# Altium PCB 15-34级主板.PcbDoc (part 4 of 4)
Units mil, origin at the board's own origin, x right, y up, seen from the top; angles counter-clockwise.
Board outline 2090.18 x 2701.44 mil, 2 copper layers (Top Layer, Bottom Layer); 13 components, 36 nets, 276 pads, 223 vias.
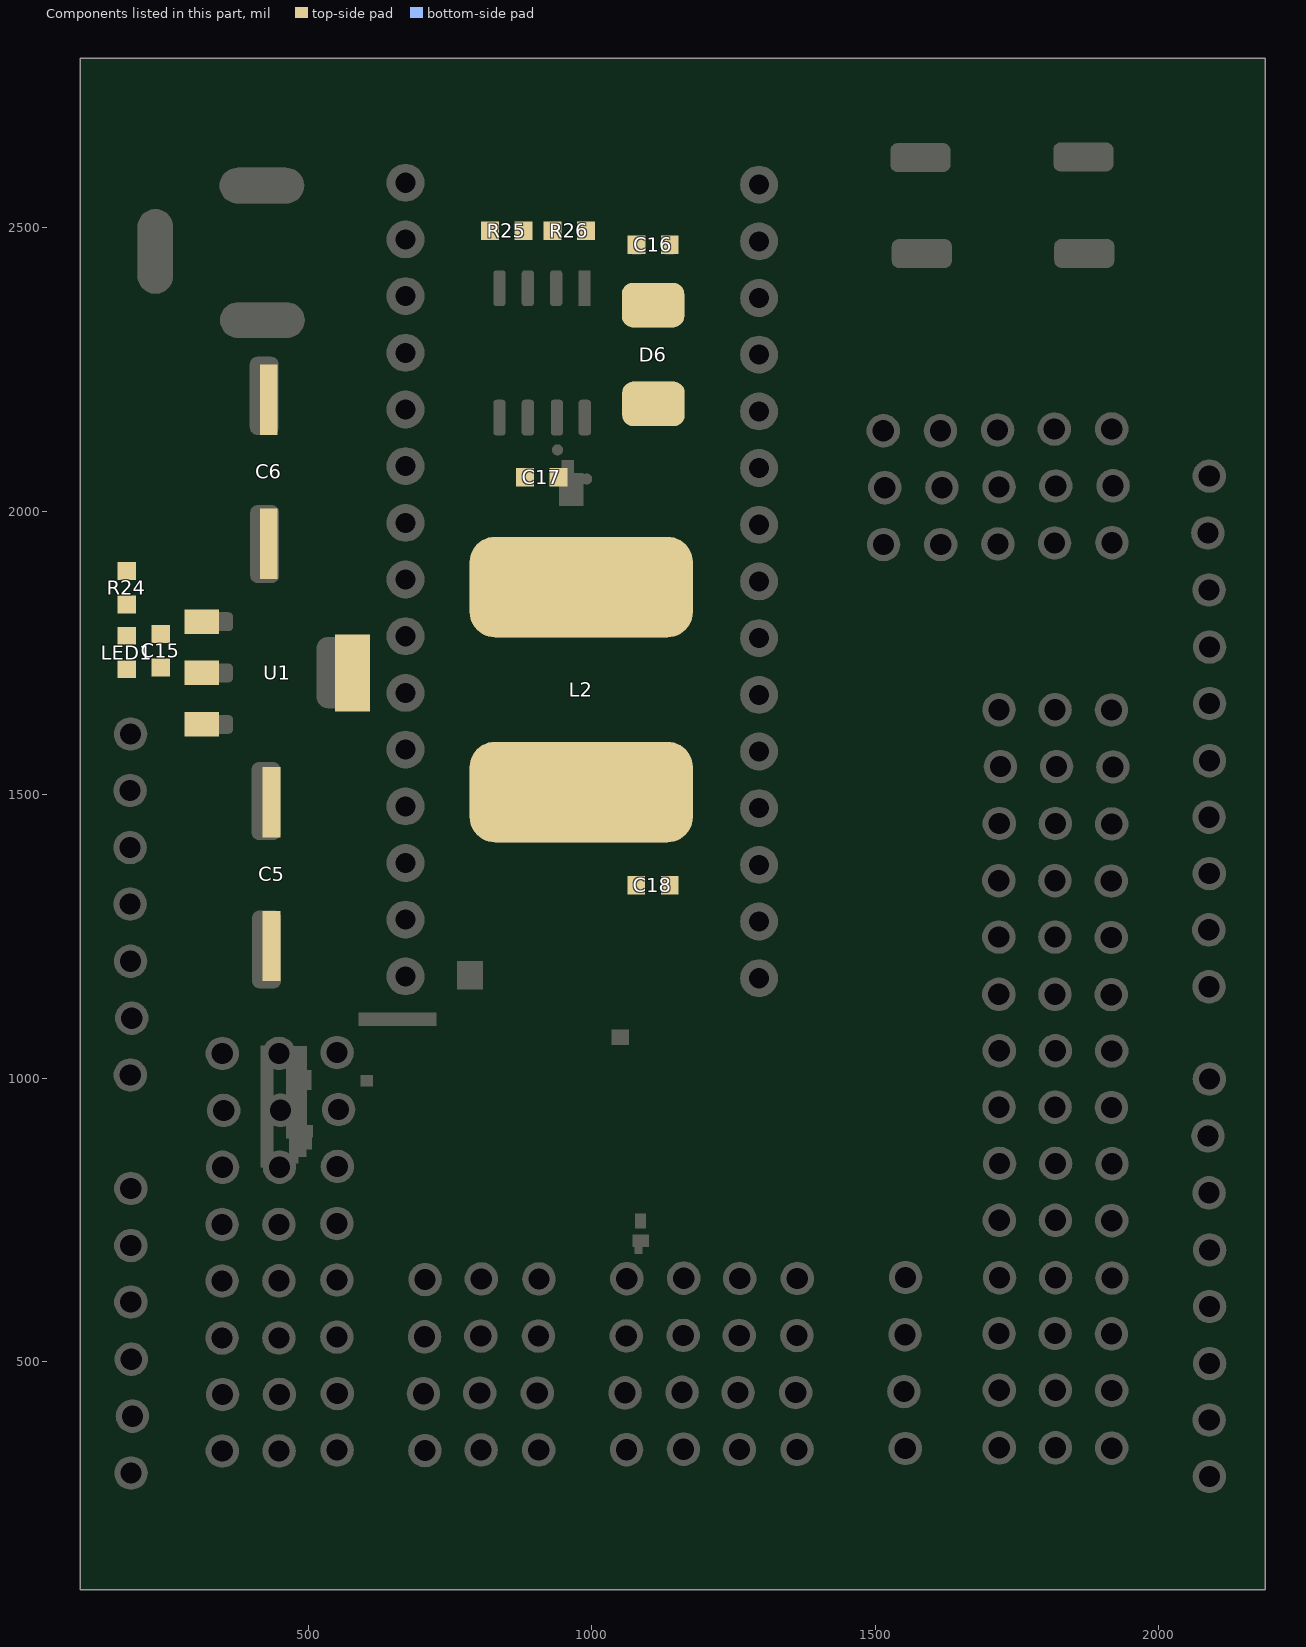
[diagram p4: the components of this part, seen from the top]

## Polygon pours and split planes (outlines as drawn) (continued)
no net on Bottom Overlay (solid): 745.3,2367.3 737.22,2367.3 722.58,2405.08 730.66,2405.08 733.78,2396.51 748.96,2396.51 752.23,2405.08 760.47,2405.08
no net on Bottom Overlay (solid): 130 vertices, not listed, extent 766.68,2267.92 791.2,2306.63
no net on Bottom Overlay (solid): 749.05,2268.13 740.97,2268.13 726.33,2305.92 734.41,2305.92 737.53,2297.34 752.71,2297.34 755.98,2305.92 764.23,2305.92
no net on Bottom Overlay (solid): 40 vertices, not listed, extent 763.59,2165.42 780.19,2203.42
no net on Bottom Overlay (solid): 744.05,2165.63 735.97,2165.63 721.33,2203.42 729.41,2203.42 732.53,2194.84 747.71,2194.84 750.98,2203.42 759.23,2203.42
no net on Bottom Overlay (solid): 180 vertices, not listed, extent 762,2059.58 787.39,2097.58
no net on Bottom Overlay (solid): 745.3,2059.8 737.22,2059.8 722.58,2097.58 730.66,2097.58 733.78,2089.01 748.96,2089.01 752.23,2097.58 760.47,2097.58
no net on Bottom Overlay (solid): 248 vertices, not listed, extent 762.24,1959.58 787.36,1998.29
no net on Bottom Overlay (solid): 744.88,1959.8 736.8,1959.8 722.17,1997.58 730.25,1997.58 733.36,1989.01 748.54,1989.01 751.82,1997.58 760.06,1997.58
no net on Bottom Overlay (solid): 784.58,1890.84 789.27,1890.84 789.27,1884.5 784.58,1884.5 784.58,1860.48 778.46,1860.48 762.09,1884.56 762.09,1890.84 777.59,1890.84 777.59,1898.43 784.58,1898.43
no net on Bottom Overlay (solid): 745.71,1860.64 737.62,1860.64 722.99,1898.43 731.07,1898.43 734.18,1889.85 749.36,1889.85 752.64,1898.43 760.88,1898.43
no net on Bottom Overlay (solid): 162 vertices, not listed, extent 761.38,1762.79 786.82,1800.79
no net on Bottom Overlay (solid): 743.63,1762.3 735.55,1762.3 720.92,1800.08 729,1800.08 732.11,1791.51 747.29,1791.51 750.56,1800.08 758.81,1800.08
no net on Bottom Overlay (solid): 200 vertices, not listed, extent 762.52,1661.66 787.8,1700.38
no net on Bottom Overlay (solid): 744.88,1661.88 736.8,1661.88 722.17,1699.67 730.25,1699.67 733.36,1691.09 748.54,1691.09 751.82,1699.67 760.06,1699.67
no net on Bottom Overlay (solid): 79 vertices, not listed, extent 763.77,1562.79 788.56,1600.08
no net on Bottom Overlay (solid): 746.13,1562.3 738.05,1562.3 723.42,1600.08 731.5,1600.08 734.61,1591.51 749.79,1591.51 753.06,1600.08 761.31,1600.08
no net on Bottom Overlay (solid): 783.58,1460.63 775.44,1460.63 766.21,1488.59 756.61,1460.63 748.36,1460.63 761.9,1498.42 770.14,1498.42
no net on Bottom Overlay (solid): 162 vertices, not listed, extent 721.33,1461.12 746.78,1499.13
no net on Bottom Overlay (solid): 299 vertices, not listed, extent 751.58,1361.58 782.32,1400.78
no net on Bottom Overlay (solid): 804.98,1368.68 816.12,1368.68 816.12,1362.29 786.14,1362.29 786.14,1368.68 797.34,1368.68 797.34,1400.07 804.98,1400.07
no net on Bottom Overlay (solid): 112 vertices, not listed, extent 715.49,1362.29 749.45,1400.07
no net on Bottom Overlay (solid): 84 vertices, not listed, extent 803.53,1261.46 835.14,1299.24
no net on Bottom Overlay (solid): 795.45,1261.46 788.4,1261.46 788.4,1286.9 772.79,1261.46 765.42,1261.46 765.42,1299.24 772.46,1299.24 772.46,1274.34 787.8,1299.24 795.45,1299.24
no net on Bottom Overlay (solid): 226 vertices, not listed, extent 722.99,1260.75 758.32,1299.95
no net on Bottom Overlay (solid): 759.46,1161.04 751.32,1161.04 742.09,1189 732.49,1161.04 724.24,1161.04 737.78,1198.82 746.03,1198.82
no net on Bottom Overlay (solid): 770.71,1161.04 763.06,1161.04 763.06,1198.82 770.71,1198.82
no net on Bottom Overlay (solid): 808.05,1161.04 801.01,1161.04 801.01,1186.48 785.39,1161.04 778.02,1161.04 778.02,1198.82 785.06,1198.82 785.06,1173.93 800.41,1198.82 808.05,1198.82
$Net45 on Top Layer "Top Layer-$Net45" (solid, pour order 2): 31 vertices, not listed, extent 969.67,1932.99 1184.66,2483.83
$Net37 on Top Layer "Top Layer-$Net37" (solid, pour order 0): 588.82,1109.24 600.49,1079.68 610.91,1030.91 605.07,1025.07 605.07,897.99 610.91,897.99 775.91,1062.99 722.98,1115.92 594.67,1115.92 587.17,1108.42
$Net0 on Top Layer "Top Layer-No Net 4" (solid, remove dead copper, pour order 1000): 0,2890 40,2850 40,125 40,65 145,-40 160,-55 1335,-55 2100,-55 2315,160 2355,200 2355,1170 2355,2765 2190,2930
no net on Top Overlay (solid): 74 vertices, not listed, extent 1704.82,1724.98 1731.52,1742.18
no net on Top Overlay (solid): 114 vertices, not listed, extent 1902.92,1719.95 1930.9,1742.28
no net on Top Overlay (solid): 51 vertices, not listed, extent 1918.78,1779.77 1930.26,1794.11
no net on Top Overlay (solid): 74 vertices, not listed, extent 1987.44,1684.3 2012.45,1700.41
no net on Top Overlay (solid): 74 vertices, not listed, extent 1988.54,1576.74 2013.55,1592.85
no net on Top Overlay (solid): 124 vertices, not listed, extent 1985.74,315.62 2014.25,325.48
no net on Top Overlay (solid): 74 vertices, not listed, extent 1986.9,347.22 2013.61,364.42
no net on Top Overlay (solid): 74 vertices, not listed, extent 1987.31,449.32 2014.01,466.51
no net on Top Overlay (solid): 74 vertices, not listed, extent 1984.81,553.07 2011.51,570.26
no net on Top Overlay (solid): 74 vertices, not listed, extent 1986.9,649.31 2013.61,666.5
no net on Top Overlay (solid): 1992.44,735.72 1992.44,726.33 2006.32,726.33
no net on Top Overlay (solid): 74 vertices, not listed, extent 1984.4,755.13 2011.1,772.33
no net on Top Overlay (solid): 74 vertices, not listed, extent 1988.15,851.81 2014.85,869
no net on Top Overlay (solid): 67 vertices, not listed, extent 1985.32,916.31 2000.19,927.04
no net on Top Overlay (solid): 74 vertices, not listed, extent 1986.49,949.31 2013.19,966.5
no net on Top Overlay (solid): 74 vertices, not listed, extent 1987.31,1045.57 2014.01,1062.76
no net on Top Overlay (solid): 66 vertices, not listed, extent 1986.4,1116.06 1999.46,1127.37
no net on Top Overlay (solid): 63 vertices, not listed, extent 2005.58,1116.99 2015.37,1126.67
no net on Top Overlay (solid): 74 vertices, not listed, extent 1987.74,1148.47 2014.44,1165.67
no net on Top Overlay (solid): 68 vertices, not listed, extent 1997.23,1211.38 2012.16,1222.05
no net on Top Overlay (solid): 74 vertices, not listed, extent 1984.81,1242.63 2011.51,1259.83
no net on Top Overlay (solid): 124 vertices, not listed, extent 1987.45,1301.52 2014.15,1310.75
no net on Top Overlay (solid): 74 vertices, not listed, extent 1988.54,1360.49 2013.55,1376.6
no net on Top Overlay (solid): 74 vertices, not listed, extent 1988.54,1464.24 2013.55,1480.35
no net on Top Overlay (solid): 1261.46,733.11 1261.46,721.97 1276.45,727.63
no net on Top Overlay (solid): 74 vertices, not listed, extent 1252.31,758.7 1279.01,775.9
no net on Top Overlay (solid): 74 vertices, not listed, extent 1151.9,718.31 1178.6,735.51
no net on Top Overlay (solid): 74 vertices, not listed, extent 895.65,713.31 922.36,730.51
no net on Top Overlay (solid): 48 vertices, not listed, extent 1556.25,782.72 1566.51,799.16
no net on Top Overlay (solid): 1548.96,837.75 1548.96,826.62 1563.95,832.27
no net on Top Overlay (solid): 74 vertices, not listed, extent 1461.02,608.89 1482.69,622.84
no net on Top Overlay (solid): 48 vertices, not listed, extent 1474.36,673.03 1482.69,686.37
no net on Top Overlay (solid): 74 vertices, not listed, extent 1459.37,505.81 1481.03,519.76
no net on Top Overlay (solid): 74 vertices, not listed, extent 1461.02,395.98 1482.69,409.93
no net on Top Overlay (solid): 74 vertices, not listed, extent 576.06,1116.87 590.01,1138.53
no net on Top Overlay (solid): 314.96,1134.78 310.52,1122.63 319.55,1122.63
no net on Top Overlay (solid): 74 vertices, not listed, extent 341.83,1115.2 355.78,1136.86
no net on Top Overlay (solid): 124 vertices, not listed, extent 252.45,1013.27 279.15,1022.5
no net on Top Overlay (solid): 262.12,1057.01 262.12,1046.58 276.15,1051.87
no net on Top Overlay (solid): 261.29,959.1 261.29,948.67 275.33,953.96
no net on Top Overlay (solid): 264.63,861.18 264.63,850.75 278.66,856.05
no net on Top Overlay (solid): 262.53,759.5 262.53,749.08 276.57,754.37
no net on Top Overlay (solid): 261.91,625.93 261.91,617.14 274.91,617.14
no net on Top Overlay (solid): 262.95,658.25 262.95,647.83 276.98,653.12
no net on Top Overlay (solid): 262.13,559.93 262.13,549.5 276.16,554.8
no net on Top Overlay (solid): 67 vertices, not listed, extent 253.29,411.96 267.21,422.01
no net on Top Overlay (solid): 262.95,457 262.95,446.58 276.98,451.87
no net on Top Overlay (solid): 262.13,355.35 262.13,344.92 276.16,350.21
no net on Top Overlay (solid): 521.62,257.28 516.14,242.3 527.28,242.3
no net on Top Overlay (solid): 74 vertices, not listed, extent 554.74,233.14 571.93,259.85
no net on Top Overlay (solid): 114 vertices, not listed, extent 755.64,232.1 777.97,260.08
no net on Top Overlay (solid): 51 vertices, not listed, extent 719.5,247.95 733.84,259.44
no net on Top Overlay (solid): 48 vertices, not listed, extent 891.77,249.18 908.21,259.44
no net on Top Overlay (solid): 114 vertices, not listed, extent 1875.78,240.86 1898.11,268.84
no net on Top Overlay (solid): 51 vertices, not listed, extent 1823.95,256.71 1838.29,268.2
no net on Top Overlay (solid): 51 vertices, not listed, extent 2008.36,2030.73 2019.85,2045.07
no net on Top Overlay (solid): 114 vertices, not listed, extent 1807.95,2218.03 1834.15,2238.94
no net on Top Overlay (solid): 114 vertices, not listed, extent 1707.96,2265.02 1734.16,2285.94
no net on Top Overlay (solid): 74 vertices, not listed, extent 1507.3,2218.7 1532.3,2234.81
no net on Top Overlay (solid): 48 vertices, not listed, extent 1479.36,2596.36 1487.69,2609.7
no net on Top Overlay (solid): 125 vertices, not listed, extent 1966.92,2626.15 2017.84,2669.33
no net on Top Overlay (solid): 96 vertices, not listed, extent 1969.21,2372.61 2004.19,2397.29
no net on Top Overlay (solid): 38 vertices, not listed, extent 1991.07,2439.56 2004.19,2465.16
no net on Top Overlay (solid): 95 vertices, not listed, extent 2063.78,2414.13 2098.76,2441.09
no net on Top Overlay (solid): 96 vertices, not listed, extent 2063.78,2583.03 2098.76,2607.71
no net on Top Overlay (solid): 27 vertices, not listed, extent 2084.37,2667.29 2114.89,2688.61
no net on Top Overlay (solid): 95 vertices, not listed, extent 1372.67,1888.23 1392.25,1903.33
no net on Top Overlay (solid): 96 vertices, not listed, extent 1372.67,1982.79 1392.25,1996.61
no net on Top Overlay (solid): 79 vertices, not listed, extent 1372.51,2026.9 1382.51,2040.11
no net on Top Overlay (solid): 95 vertices, not listed, extent 1372.67,2082.95 1392.25,2098.05
no net on Top Overlay (solid): 96 vertices, not listed, extent 1372.67,2139.1 1392.25,2152.93
no net on Top Overlay (solid): 79 vertices, not listed, extent 1372.51,2183.22 1382.51,2196.43
no net on Top Overlay (solid): 95 vertices, not listed, extent 1372.67,2209.13 1392.25,2224.22
no net on Top Overlay (solid): 97 vertices, not listed, extent 1372.67,2236.82 1392.25,2250.59
no net on Top Overlay (solid): 95 vertices, not listed, extent 1372.67,2305.16 1392.25,2320.26
no net on Top Overlay (solid): 79 vertices, not listed, extent 1372.51,2397.21 1382.51,2410.42
no net on Top Overlay (solid): 95 vertices, not listed, extent 1372.67,2423.28 1392.4,2437.1
no net on Top Overlay (solid): 125 vertices, not listed, extent 1372.19,1557.02 1400.7,1581.19
no net on Top Overlay (solid): 27 vertices, not listed, extent 1383.36,1634.84 1400.44,1646.78
no net on Top Overlay (solid): 125 vertices, not listed, extent 1372.19,1768.06 1400.7,1792.23
no net on Top Overlay (solid): 53 vertices, not listed, extent 1371.91,1729.01 1387.09,1743.81
no net on Top Overlay (solid): 63 vertices, not listed, extent 1392.5,1730.65 1403.03,1739.39
no net on Top Overlay (solid): 84 vertices, not listed, extent 1698,1716.59 1738.34,1750.34
no net on Top Overlay (solid): 1738.34,1783.16 1711.18,1766.49 1738.34,1766.49 1738.34,1758.97 1698,1758.97 1698,1767.13 1724.59,1783.51 1698,1783.51 1698,1791.03 1738.34,1791.03
no net on Top Overlay (solid): 226 vertices, not listed, extent 1697.24,1798.61 1739.1,1836.33
no net on Top Overlay (solid): 138 vertices, not listed, extent 1895.98,1711.56 1937.84,1750.68
no net on Top Overlay (solid): 1937.09,1756.8 1896.74,1756.8 1896.74,1764.96 1937.09,1764.96
no net on Top Overlay (solid): 76 vertices, not listed, extent 1896.74,1771.38 1937.09,1802.27
no net on Top Overlay (solid): 226 vertices, not listed, extent 1895.98,1809.85 1937.84,1847.57
no net on Top Overlay (solid): 1837.5,1745.33 1807.65,1735.07 1837.5,1725.22 1837.5,1716.53 1797.16,1730.87 1797.16,1739.67 1837.5,1754.13
no net on Top Overlay (solid): 162 vertices, not listed, extent 1796.4,1755.82 1836.98,1782.99
no net on Top Overlay (solid): 248 vertices, not listed, extent 1980.35,1617.37 2019.06,1642.48
no net on Top Overlay (solid): 40 vertices, not listed, extent 1981.06,1653.07 2019.06,1669.67
no net on Top Overlay (solid): 84 vertices, not listed, extent 1981.06,1676.44 2018.84,1708.06
no net on Top Overlay (solid): 180 vertices, not listed, extent 1982.16,1510.18 2020.16,1535.57
no net on Top Overlay (solid): 40 vertices, not listed, extent 1982.16,1545.51 2020.16,1562.11
no net on Top Overlay (solid): 84 vertices, not listed, extent 1982.16,1568.88 2019.94,1600.49
no net on Top Overlay (solid): 130 vertices, not listed, extent 1979.33,307.46 2020.66,333.64
no net on Top Overlay (solid): 84 vertices, not listed, extent 1980.08,338.83 2020.43,372.58
no net on Top Overlay (solid): 40 vertices, not listed, extent 1980.49,415.97 2021.07,433.69
no net on Top Overlay (solid): 84 vertices, not listed, extent 1980.49,440.92 2020.83,474.68
no net on Top Overlay (solid): 180 vertices, not listed, extent 1977.99,513.36 2018.57,540.47
no net on Top Overlay (solid): 84 vertices, not listed, extent 1977.99,544.67 2018.34,578.43
no net on Top Overlay (solid): 248 vertices, not listed, extent 1979.33,609.19 2020.66,636.01
no net on Top Overlay (solid): 84 vertices, not listed, extent 1980.08,640.91 2020.43,674.67
no net on Top Overlay (solid): 2018.09,725.4 2018.09,718.87 1992.44,718.87 1992.44,713.85 1985.68,713.85 1985.68,718.87 1977.57,718.87 1977.57,726.33 1985.68,726.33 1985.68,742.89 1992.38,742.89
no net on Top Overlay (solid): 84 vertices, not listed, extent 1977.57,746.73 2017.92,780.49
no net on Top Overlay (solid): 162 vertices, not listed, extent 1980.57,810.94 2021.15,838.11
no net on Top Overlay (solid): 84 vertices, not listed, extent 1981.33,843.41 2021.68,877.17
no net on Top Overlay (solid): 200 vertices, not listed, extent 1978.91,908.73 2020.24,935.72
no net on Top Overlay (solid): 84 vertices, not listed, extent 1979.67,940.91 2020.01,974.67
no net on Top Overlay (solid): 79 vertices, not listed, extent 1980.49,1005.51 2020.31,1031.98
no net on Top Overlay (solid): 84 vertices, not listed, extent 1980.49,1037.17 2020.83,1070.93
no net on Top Overlay (solid): 184 vertices, not listed, extent 1980.16,1108.42 2021.49,1135
no net on Top Overlay (solid): 84 vertices, not listed, extent 1980.92,1140.08 2021.26,1173.83
no net on Top Overlay (solid): 204 vertices, not listed, extent 1977.23,1202.7 2018.57,1229.63
no net on Top Overlay (solid): 84 vertices, not listed, extent 1977.99,1234.24 2018.34,1267.99
no net on Top Overlay (solid): 130 vertices, not listed, extent 1981.45,1293.88 2020.16,1318.39
no net on Top Overlay (solid): 40 vertices, not listed, extent 1982.16,1329.26 2020.16,1345.86
no net on Top Overlay (solid): 84 vertices, not listed, extent 1982.16,1352.63 2019.94,1384.24
no net on Top Overlay (solid): 40 vertices, not listed, extent 1982.16,1403.63 2020.16,1420.23
no net on Top Overlay (solid): 40 vertices, not listed, extent 1982.16,1433.01 2020.16,1449.61
no net on Top Overlay (solid): 84 vertices, not listed, extent 1982.16,1456.38 2019.94,1487.99
no net on Top Overlay (solid): 1384.72,723.79 1351.49,723.79 1351.49,703.5 1344.67,703.5 1344.67,731.95 1384.72,731.95
no net on Top Overlay (solid): 207 vertices, not listed, extent 1343.97,739.18 1385.77,774.28
no net on Top Overlay (solid): 299 vertices, not listed, extent 1343.91,779.76 1385.77,812.58
no net on Top Overlay (solid): 1285.84,731.89 1285.84,723.26 1245.49,707.05 1245.49,715.85 1254.64,719.35 1254.64,735.56 1245.49,738.88 1245.49,747.51
no net on Top Overlay (solid): 84 vertices, not listed, extent 1245.49,750.31 1285.84,784.06
no net on Top Overlay (solid): 299 vertices, not listed, extent 1244.73,791 1286.59,823.82
no net on Top Overlay (solid): 84 vertices, not listed, extent 1145.08,709.92 1185.43,743.67
no net on Top Overlay (solid): 1185.43,776.5 1158.26,759.82 1185.43,759.82 1185.43,752.3 1145.08,752.3 1145.08,760.46 1171.67,776.85 1145.08,776.85 1145.08,784.37 1185.43,784.37
no net on Top Overlay (solid): 226 vertices, not listed, extent 1144.33,791.95 1186.19,829.67
no net on Top Overlay (solid): 1085.83,734.51 1055.98,724.25 1085.83,714.4 1085.83,705.71 1045.49,720.06 1045.49,728.86 1085.83,743.32
no net on Top Overlay (solid): 162 vertices, not listed, extent 1044.73,745.01 1085.31,772.18
no net on Top Overlay (solid): 84 vertices, not listed, extent 888.83,704.92 929.18,738.67
no net on Top Overlay (solid): 929.18,771.5 902.01,754.82 929.18,754.82 929.18,747.3 888.83,747.3 888.83,755.46 915.42,771.85 888.83,771.85 888.83,779.37 929.18,779.37
no net on Top Overlay (solid): 226 vertices, not listed, extent 888.07,786.95 929.93,824.67
no net on Top Overlay (solid): 827.51,733.54 800.34,716.86 827.51,716.86 827.51,709.34 787.17,709.34 787.17,717.5 813.75,733.89 787.17,733.89 787.17,741.41 827.51,741.41
no net on Top Overlay (solid): 827.51,749.22 787.17,749.22 787.17,757.38 827.51,757.38
no net on Top Overlay (solid): 827.51,790.03 797.66,779.77 827.51,769.92 827.51,761.23 787.17,775.57 787.17,784.38 827.51,798.83
no net on Top Overlay (solid): 248 vertices, not listed, extent 684.73,711.39 726.07,738.21
no net on Top Overlay (solid): 725.84,769.11 695.99,758.84 725.84,748.99 725.84,740.31 685.49,754.65 685.49,763.45 725.84,777.91
no net on Top Overlay (solid): 248 vertices, not listed, extent 684.73,780.36 726.07,807.18
no net on Top Overlay (solid): 1573.34,737.48 1566.51,737.48 1566.51,749.37 1532.99,749.37 1532.99,757.53 1566.51,757.53 1566.51,769.48 1573.34,769.48
no net on Top Overlay (solid): 112 vertices, not listed, extent 1532.99,771.06 1573.34,807.32
no net on Top Overlay (solid): 1573.34,836.53 1573.34,827.9 1532.99,811.69 1532.99,820.5 1542.14,823.99 1542.14,840.2 1532.99,843.52 1532.99,852.15
no net on Top Overlay (solid): 150 vertices, not listed, extent 1532.23,856.64 1573.34,888.82
no net on Top Overlay (solid): 84 vertices, not listed, extent 1455.49,602.08 1488.22,629.47
no net on Top Overlay (solid): 1472.52,652.03 1488.22,662.29 1488.22,654.58 1478.43,648.1 1488.22,641.62 1488.22,633.91 1472.52,644.18 1455.49,632.92 1455.49,640.87 1466.56,648.1 1455.49,655.39 1455.49,663.33
no net on Top Overlay (solid): 112 vertices, not listed, extent 1455.49,663.57 1488.22,692.99
no net on Top Overlay (solid): 84 vertices, not listed, extent 1453.83,499 1486.56,526.39
no net on Top Overlay (solid): 1470.86,548.95 1486.56,559.21 1486.56,551.5 1476.77,545.02 1486.56,538.54 1486.56,530.83 1470.86,541.1 1453.83,529.84 1453.83,537.78 1464.9,545.02 1453.83,552.31 1453.83,560.25
no net on Top Overlay (solid): 1486.56,561.2 1481.03,561.2 1481.03,570.85 1453.83,570.85 1453.83,577.47 1481.03,577.47 1481.03,587.17 1486.56,587.17
no net on Top Overlay (solid): 84 vertices, not listed, extent 1455.49,389.17 1488.22,416.56
no net on Top Overlay (solid): 1488.22,443.19 1466.18,429.66 1488.22,429.66 1488.22,423.56 1455.49,423.56 1455.49,430.18 1477.06,443.47 1455.49,443.47 1455.49,449.57 1488.22,449.57
no net on Top Overlay (solid): 226 vertices, not listed, extent 1454.88,455.72 1488.84,486.32
no net on Top Overlay (solid): 1489.07,340.78 1464.85,332.45 1489.07,324.46 1489.07,317.41 1456.33,329.05 1456.33,336.19 1489.07,347.92
no net on Top Overlay (solid): 162 vertices, not listed, extent 1455.72,349.29 1488.64,371.33
no net on Top Overlay (solid): 162 vertices, not listed, extent 424.67,1111.55 446.71,1144.47
no net on Top Overlay (solid): 466.95,1112.17 459.81,1112.17 448.08,1144.9 455.22,1144.9 463.55,1120.68 471.54,1144.9 478.59,1144.9
no net on Top Overlay (solid): 84 vertices, not listed, extent 569.43,1111.33 596.82,1144.07
no net on Top Overlay (solid): 562.43,1111.33 555.81,1111.33 542.52,1132.9 542.52,1111.33 536.42,1111.33 536.42,1144.07 542.81,1144.07 556.33,1122.02 556.33,1144.07 562.43,1144.07
no net on Top Overlay (solid): 226 vertices, not listed, extent 499.67,1110.72 530.27,1144.68
no net on Top Overlay (solid): 331.66,1109.67 324.52,1109.67 321.68,1117.09 308.53,1117.09 305.83,1109.67 298.83,1109.67 311.51,1142.4 318.51,1142.4
no net on Top Overlay (solid): 84 vertices, not listed, extent 335.21,1109.67 362.59,1142.4
no net on Top Overlay (solid): 207 vertices, not listed, extent 367.04,1109.1 395.51,1143.01
no net on Top Overlay (solid): 130 vertices, not listed, extent 246.45,1005.63 285.16,1030.14
no net on Top Overlay (solid): 284.94,1055.86 284.94,1047.78 247.16,1032.6 247.16,1040.84 255.73,1044.12 255.73,1059.3 247.16,1062.41 247.16,1070.49
no net on Top Overlay (solid): 40 vertices, not listed, extent 246.33,913.72 284.33,930.32
no net on Top Overlay (solid): 284.12,957.95 284.12,949.87 246.33,934.69 246.33,942.93 254.9,946.21 254.9,961.39 246.33,964.5 246.33,972.58
no net on Top Overlay (solid): 180 vertices, not listed, extent 249.67,809.86 287.67,835.25
no net on Top Overlay (solid): 287.45,860.03 287.45,851.95 249.67,836.78 249.67,845.02 258.24,848.29 258.24,863.47 249.67,866.59 249.67,874.67
no net on Top Overlay (solid): 248 vertices, not listed, extent 246.86,707.8 285.58,732.91
no net on Top Overlay (solid): 285.36,758.36 285.36,750.28 247.57,735.1 247.57,743.34 256.15,746.62 256.15,761.8 247.57,764.91 247.57,772.99
no net on Top Overlay (solid): 285.94,616.27 285.94,610.15 261.91,610.15 261.91,605.46 255.58,605.46 255.58,610.15 247.99,610.15 247.99,617.14 255.58,617.14 255.58,632.65 261.86,632.65
no net on Top Overlay (solid): 285.77,657.11 285.77,649.03 247.99,633.85 247.99,642.09 256.56,645.37 256.56,660.55 247.99,663.66 247.99,671.74
no net on Top Overlay (solid): 162 vertices, not listed, extent 246.46,507.52 284.46,532.96
no net on Top Overlay (solid): 284.95,558.78 284.95,550.7 247.17,535.53 247.17,543.77 255.74,547.04 255.74,562.22 247.17,565.34 247.17,573.42
no net on Top Overlay (solid): 200 vertices, not listed, extent 247.28,404.86 285.99,430.14
no net on Top Overlay (solid): 285.77,455.86 285.77,447.78 247.99,432.6 247.99,440.84 256.56,444.12 256.56,459.3 247.99,462.41 247.99,470.49
no net on Top Overlay (solid): 79 vertices, not listed, extent 247.17,303.69 284.46,328.48
no net on Top Overlay (solid): 284.95,354.2 284.95,346.12 247.17,330.94 247.17,339.18 255.74,342.46 255.74,357.64 247.17,360.75 247.17,368.83
no net on Top Overlay (solid): 542.2,226.32 533.4,226.32 529.9,235.48 513.69,235.48 510.37,226.32 501.74,226.32 517.36,266.67 525.99,266.67
no net on Top Overlay (solid): 84 vertices, not listed, extent 546.57,226.32 580.33,266.67
no net on Top Overlay (solid): 207 vertices, not listed, extent 585.81,225.62 620.91,267.43
no net on Top Overlay (solid): 138 vertices, not listed, extent 747.25,225.16 786.37,267.02
no net on Top Overlay (solid): 76 vertices, not listed, extent 711.33,225.92 742.23,266.26
no net on Top Overlay (solid): 875.91,259.44 854.17,259.44 854.17,250.52 874.4,250.52 874.4,243.7 854.17,243.7 854.17,232.74 876.67,232.74 876.67,225.92 846.01,225.92 846.01,266.26 875.91,266.26
no net on Top Overlay (solid): 112 vertices, not listed, extent 883.61,225.92 919.87,266.26
no net on Top Overlay (solid): 832.01,225.92 823.21,225.92 815.28,256.06 807.24,225.92 798.38,225.92 788.82,266.26 797.15,266.26 803.22,238.51 810.56,266.26 820.35,266.26 827.35,238.04 833.53,266.26 841.75,266.26
no net on Top Overlay (solid): 40 vertices, not listed, extent 1110.49,227.99 1128.21,268.57
no net on Top Overlay (solid): 180 vertices, not listed, extent 1138.83,227.99 1165.93,268.57
no net on Top Overlay (solid): 207 vertices, not listed, extent 1171.47,227.29 1206.57,269.09
no net on Top Overlay (solid): 138 vertices, not listed, extent 1867.39,233.92 1906.5,275.78
no net on Top Overlay (solid): 76 vertices, not listed, extent 1815.79,234.68 1846.69,275.02
no net on Top Overlay (solid): 1861.26,234.68 1853.1,234.68 1853.1,275.02 1861.26,275.02
no net on Top Overlay (solid): 226 vertices, not listed, extent 1770.49,233.92 1808.21,275.78
no net on Top Overlay (solid): 2026.67,2007.76 1986.32,2007.76 1986.32,2015.92 2026.67,2015.92
no net on Top Overlay (solid): 76 vertices, not listed, extent 1986.32,2022.33 2026.67,2053.23
no net on Top Overlay (solid): 299 vertices, not listed, extent 1985.57,2060.17 2027.43,2092.99
no net on Top Overlay (solid): 1939.52,2231.25 1922.71,2231.25 1939.52,2215.74 1939.52,2205.48 1924.78,2219.78 1901.74,2204.77 1901.74,2214.65 1919.49,2225.08 1913.15,2231.25 1901.74,2231.25 1901.74,2238.89 1939.52,2238.89
no net on Top Overlay (solid): 207 vertices, not listed, extent 1901.09,2245.5 1940.23,2278.37
no net on Top Overlay (solid): 299 vertices, not listed, extent 1901.03,2283.5 1940.23,2314.24
no net on Top Overlay (solid): 138 vertices, not listed, extent 1801.45,2210.17 1840.65,2246.8
no net on Top Overlay (solid): 299 vertices, not listed, extent 1801.45,2251.72 1840.65,2282.46
no net on Top Overlay (solid): 1839.94,2287.75 1802.16,2287.75 1802.16,2295.4 1839.94,2295.4
no net on Top Overlay (solid): 1839.94,2327.83 1814.11,2321.06 1839.94,2314.34 1839.94,2302.88 1802.16,2302.88 1802.16,2309.92 1831.86,2309.97 1802.16,2317.4 1802.16,2324.77 1831.86,2332.2 1802.16,2332.2 1802.16,2339.24 1839.94,2339.24
no net on Top Overlay (solid): 1739.95,2208.57 1702.17,2208.57 1702.17,2216.21 1739.95,2216.21
no net on Top Overlay (solid): 299 vertices, not listed, extent 1701.46,2222.44 1740.66,2253.18
no net on Top Overlay (solid): 138 vertices, not listed, extent 1701.46,2257.16 1740.66,2293.8
no net on Top Overlay (solid): 1739.95,2324.92 1714.12,2318.15 1739.95,2311.43 1739.95,2299.97 1702.17,2299.97 1702.17,2307.01 1731.87,2307.07 1702.17,2314.49 1702.17,2321.86 1731.87,2329.29 1702.17,2329.29 1702.17,2336.33 1739.95,2336.33
no net on Top Overlay (solid): 1640.37,2241.06 1612.41,2231.45 1640.37,2222.22 1640.37,2214.09 1602.58,2227.52 1602.58,2235.76 1640.37,2249.31
no net on Top Overlay (solid): 162 vertices, not listed, extent 1601.87,2250.89 1639.88,2276.33
no net on Top Overlay (solid): 84 vertices, not listed, extent 1500.91,2210.84 1538.69,2242.46
no net on Top Overlay (solid): 1538.69,2273.2 1513.25,2257.58 1538.69,2257.58 1538.69,2250.54 1500.91,2250.54 1500.91,2258.18 1525.8,2273.52 1500.91,2273.52 1500.91,2280.57 1538.69,2280.57
no net on Top Overlay (solid): 226 vertices, not listed, extent 1500.2,2287.66 1539.4,2322.99
no net on Top Overlay (solid): 1493.22,2468.13 1487.69,2468.13 1487.69,2477.78 1460.49,2477.78 1460.49,2484.4 1487.69,2484.4 1487.69,2494.1 1493.22,2494.1
no net on Top Overlay (solid): 1493.22,2498.03 1487.69,2498.03 1487.69,2515.67 1480.45,2515.67 1480.45,2499.26 1474.92,2499.26 1474.92,2515.67 1466.02,2515.67 1466.02,2497.41 1460.49,2497.41 1460.49,2522.29 1493.22,2522.29
no net on Top Overlay (solid): 299 vertices, not listed, extent 1459.88,2527.92 1493.84,2554.55
no net on Top Overlay (solid): 1493.22,2559.04 1487.69,2559.04 1487.69,2576.69 1480.45,2576.69 1480.45,2560.27 1474.92,2560.27 1474.92,2576.69 1466.02,2576.69 1466.02,2558.43 1460.49,2558.43 1460.49,2583.31 1493.22,2583.31
no net on Top Overlay (solid): 112 vertices, not listed, extent 1460.49,2586.9 1493.22,2616.32
no net on Top Overlay (solid): 142 vertices, not listed, extent 1959.81,2617.59 2025.04,2677.9
no net on Top Overlay (solid): 2025.04,2688.37 2025.04,2682.18 1959.81,2700.49 1959.81,2706.68
no net on Top Overlay (solid): 2023.95,2714.61 1960.91,2714.61 1960.91,2722.99 2023.95,2722.99
no net on Top Overlay (solid): 97 vertices, not listed, extent 1962.83,2365.59 2026.87,2405.22
no net on Top Overlay (solid): 2026.87,2414.33 1963.83,2414.33 1963.83,2422.07 2026.87,2422.07
no net on Top Overlay (solid): 157 vertices, not listed, extent 1962.83,2431.37 2010.57,2473.55
no net on Top Overlay (solid): 2009.57,2482.75 1963.83,2482.75 1963.83,2490.49 2009.57,2490.49
no net on Top Overlay (solid): 2026.87,2482.75 2018.04,2482.75 2018.04,2490.49 2026.87,2490.49
no net on Top Overlay (solid): 88 vertices, not listed, extent 1963.83,2502.42 2026.87,2539.5
no net on Top Overlay (solid): 319 vertices, not listed, extent 1962.74,2549.98 2027.97,2600.08
no net on Top Overlay (solid): 122 vertices, not listed, extent 2057.4,2406.2 2105.14,2449.02
no net on Top Overlay (solid): 103 vertices, not listed, extent 2058.41,2458.04 2105.14,2495.12
no net on Top Overlay (solid): 2104.14,2506.96 2058.41,2506.96 2058.41,2514.7 2104.14,2514.7
no net on Top Overlay (solid): 2121.45,2506.96 2112.61,2506.96 2112.61,2514.7 2121.45,2514.7
no net on Top Overlay (solid): 105 vertices, not listed, extent 2057.4,2526.82 2104.14,2563.9
no net on Top Overlay (solid): 97 vertices, not listed, extent 2057.4,2576.01 2121.45,2615.64
no net on Top Overlay (solid): 61 vertices, not listed, extent 2058.41,2617.37 2105.14,2642.15
no net on Top Overlay (solid): 2121.45,2682.69 2121.45,2673.58 2058.41,2647.8 2058.41,2657.27 2077.54,2664.65 2077.54,2691.07 2058.41,2697.9 2058.41,2706.74
no net on Top Overlay (solid): 122 vertices, not listed, extent 1369.1,1883.8 1395.82,1907.77
no net on Top Overlay (solid): 103 vertices, not listed, extent 1369.66,1912.82 1395.82,1933.57
no net on Top Overlay (solid): 1395.26,1940.2 1369.66,1940.2 1369.66,1944.54 1395.26,1944.54
no net on Top Overlay (solid): 1404.95,1940.2 1400,1940.2 1400,1944.54 1404.95,1944.54
no net on Top Overlay (solid): 105 vertices, not listed, extent 1369.1,1951.32 1395.26,1972.08
no net on Top Overlay (solid): 97 vertices, not listed, extent 1369.1,1978.86 1404.95,2001.05
no net on Top Overlay (solid): 61 vertices, not listed, extent 1369.66,2002.02 1395.82,2015.89
no net on Top Overlay (solid): 210 vertices, not listed, extent 1369.1,2021.19 1395.82,2044.75
no net on Top Overlay (solid): 61 vertices, not listed, extent 1369.66,2059.6 1395.82,2073.47
no net on Top Overlay (solid): 122 vertices, not listed, extent 1369.1,2078.52 1395.82,2102.49
no net on Top Overlay (solid): 66 vertices, not listed, extent 1369.66,2102.44 1405.56,2117.38
no net on Top Overlay (solid): 97 vertices, not listed, extent 1369.1,2135.18 1404.95,2157.36
no net on Top Overlay (solid): 61 vertices, not listed, extent 1369.66,2158.33 1395.82,2172.2
no net on Top Overlay (solid): 210 vertices, not listed, extent 1369.1,2177.51 1395.82,2201.07
no net on Top Overlay (solid): 122 vertices, not listed, extent 1369.1,2204.69 1395.82,2228.66
no net on Top Overlay (solid): 97 vertices, not listed, extent 1369.1,2232.38 1404.95,2254.57
no net on Top Overlay (solid): 103 vertices, not listed, extent 1369.66,2274.87 1395.82,2295.62
no net on Top Overlay (solid): 122 vertices, not listed, extent 1369.1,2300.72 1395.82,2324.69
no net on Top Overlay (solid): 1395.26,2329.69 1369.66,2329.69 1369.66,2334.03 1395.26,2334.03
no net on Top Overlay (solid): 1404.95,2329.69 1400,2329.69 1400,2334.03 1404.95,2334.03
no net on Top Overlay (solid): 265 vertices, not listed, extent 1369.1,2339.18 1395.82,2360.44
no net on Top Overlay (solid): 103 vertices, not listed, extent 1369.66,2365.39 1395.82,2386.15
no net on Top Overlay (solid): 210 vertices, not listed, extent 1369.1,2391.5 1395.82,2415.07
no net on Top Overlay (solid): 96 vertices, not listed, extent 1359.86,2418.84 1395.82,2441.02
no net on Top Overlay (solid): 29 vertices, not listed, extent 1369.66,2444.7 1395.26,2468.67
no net on Top Overlay (solid): 1404.95,2472.44 1400.77,2472.44 1400.77,2493.3 1390.01,2493.3 1390.01,2473.77 1385.82,2473.77 1385.82,2493.3 1373.84,2493.3 1373.84,2471.62 1369.66,2471.62 1369.66,2497.99 1404.95,2497.99
no net on Top Overlay (solid): 142 vertices, not listed, extent 1368.21,1552.22 1404.73,1585.99
no net on Top Overlay (solid): 1404.12,1615.41 1376.37,1596.9 1404.12,1596.9 1404.12,1592.41 1368.82,1592.41 1368.82,1597.26 1396.52,1615.72 1368.82,1615.72 1368.82,1620.21 1404.12,1620.21
no net on Top Overlay (solid): 1404.12,1643.46 1404.12,1638.36 1368.82,1623.93 1368.82,1629.23 1379.53,1633.37 1379.53,1648.15 1368.82,1651.98 1368.82,1656.93
no net on Top Overlay (solid): 1404.12,1683.91 1376.37,1665.39 1404.12,1665.39 1404.12,1660.91 1368.82,1660.91 1368.82,1665.75 1396.52,1684.21 1368.82,1684.21 1368.82,1688.7 1404.12,1688.7
no net on Top Overlay (solid): 142 vertices, not listed, extent 1368.21,1763.26 1404.73,1797.02
no net on Top Overlay (solid): 1404.12,1826.45 1376.37,1807.94 1404.12,1807.94 1404.12,1803.45 1368.82,1803.45 1368.82,1808.3 1396.52,1826.76 1368.82,1826.76 1368.82,1831.24 1404.12,1831.24
no net on Top Overlay (solid): 135 vertices, not listed, extent 1368.21,1839 1404.12,1866.74
no net on Top Overlay (solid): 187 vertices, not listed, extent 1367.6,1717.11 1406.85,1748.83
no net on Top Overlay (solid): 107 vertices, not listed, extent 2030.62,632.96 2041.69,662.17
no net on Top Overlay (solid): 107 vertices, not listed, extent 2030.81,835.03 2041.89,864.24
no net on Top Overlay (solid): 107 vertices, not listed, extent 2030.62,933.38 2041.69,962.58
no net on Top Overlay (solid): 107 vertices, not listed, extent 2030.61,1433.78 2041.69,1462.99
no net on Top Overlay (solid): 107 vertices, not listed, extent 2029.99,1334.21 2041.07,1363.42
no net on Top Overlay (solid): 107 vertices, not listed, extent 2030.83,1233.8 2041.91,1263.01
$Net0 on Bottom Layer "Top Layer-No Net 4" (solid, remove dead copper, pour order 1001): 15,2930 15,75 160,-70 175,-85 930,-85 2080,-85 2300,135 2340,175 2340,1190 2340,2755 2120,2975

## Keep-outs
Keep-Out Layer:
  lines w3.94: 178.41,2797.17 2107.17,2797.17 2109.93,2797.11 2115.43,2796.71 2120.89,2795.92 2126.28,2794.76 2131.57,2793.22 2136.75,2791.31 2141.78,2789.05 2146.64,2786.44 2151.31,2783.5 2155.76,2780.25 2159.97,2776.69 2163.93,2772.84 2167.6,2768.73 2170.98,2764.37 2174.05,2759.79 2176.79,2755 2179.19,2750.03 2181.24,2744.91 2182.93,2739.66 2184.24,2734.31 2185.18,2728.87 2185.74,2723.38 2185.91,2717.87 ; 178.96,2797.17 173.45,2797 167.96,2796.44 162.52,2795.5 157.17,2794.19 151.92,2792.5 146.8,2790.45 141.83,2788.05 137.04,2785.31 132.46,2782.24 128.1,2778.86 123.99,2775.19 120.14,2771.23 116.58,2767.02 113.33,2762.57 110.39,2757.9 107.78,2753.04 105.52,2748.01 103.61,2742.83 102.07,2737.54 100.91,2732.15 100.12,2726.69 99.72,2721.19 99.67,2718.43 99.67,284.61 99.91,277.74 100.63,270.91 101.82,264.14 103.48,257.47 105.61,250.94 108.18,244.57 111.19,238.39 114.63,232.44 118.47,226.74 122.7,221.33 127.3,216.22 128.5,215 131.17,212.51 134.01,210.21 137,208.12 140.13,206.24 143.38,204.58 146.74,203.15 150.2,201.96 153.72,201.02 157.31,200.32 160.93,199.88 164.58,199.69 165.49,199.68 166.47,199.67 170.4,199.46 174.29,198.98 178.15,198.23 181.95,197.22 185.66,195.94 189.28,194.4 192.78,192.62 196.15,190.6 199.36,188.34 202.42,185.87 205.29,183.19 253.46,135.02 259.62,129.27 266.17,123.97 273.07,119.14 280.29,114.8 287.8,110.98 295.55,107.68 303.52,104.94 311.66,102.76 319.93,101.15 328.29,100.13 336.7,99.69 338.82,99.67 1531.33,99.67 1538.91,99.93 1546.45,100.73 1553.92,102.04 1561.28,103.88 1568.49,106.22 1575.52,109.06 1582.33,112.39 1588.9,116.18 1595.19,120.42 1601.16,125.09 1606.8,130.16 1608.15,131.49 1677.3,200.63 1677.4,200.73 1677.82,201.11 1678.26,201.45 1678.72,201.77 1679.21,202.05 1679.72,202.29 1680.24,202.5 1680.77,202.68 1681.32,202.81 1681.87,202.91 1682.43,202.97 1682.99,202.99 2107.17,202.99 ; 2106.61,202.99 2112.12,203.16 2117.61,203.72 2123.05,204.66 2128.4,205.97 2133.65,207.66 2138.77,209.71 2143.74,212.11 2148.53,214.85 2153.11,217.92 2157.47,221.3 2161.58,224.97 2165.43,228.93 2168.99,233.14 2172.24,237.59 2175.18,242.26 2177.79,247.12 2180.05,252.15 2181.96,257.33 2183.49,262.62 2184.66,268.01 2185.45,273.47 2185.85,278.97 2185.91,281.73 2185.91,2718.43 ; 121.06,2250.49 121.22,2245.82 121.71,2241.18 122.52,2236.57 123.65,2232.04 125.1,2227.6 126.85,2223.27 128.89,2219.07 131.23,2215.02 133.84,2211.15 136.72,2207.47 139.84,2204 143.2,2200.75 146.78,2197.75 150.56,2195 154.52,2192.53 158.65,2190.33 162.92,2188.43 167.31,2186.84 171.8,2185.55 176.37,2184.58 180.99,2183.93 185.65,2183.6 190.33,2183.6 194.99,2183.93 199.61,2184.58 204.18,2185.55 208.67,2186.84 213.06,2188.43 217.33,2190.33 221.45,2192.53 225.42,2195 229.2,2197.75 232.77,2200.75 236.14,2204 239.26,2207.47 242.14,2211.15 244.75,2215.02 247.09,2219.07 249.13,2223.27 250.88,2227.6 252.33,2232.04 253.46,2236.57 254.27,2241.18 254.76,2245.82 254.92,2250.49 254.76,2255.16 254.27,2259.8 253.46,2264.41 252.33,2268.94 250.88,2273.38 249.13,2277.71 247.09,2281.91 244.75,2285.96 242.14,2289.83 239.26,2293.51 236.14,2296.98 232.77,2300.23 229.2,2303.23 225.42,2305.98 221.45,2308.45 217.33,2310.65 213.06,2312.55 208.67,2314.14 204.18,2315.43 199.61,2316.4 194.99,2317.05 190.33,2317.38 185.65,2317.38 180.99,2317.05 176.37,2316.4 171.8,2315.43 167.31,2314.14 162.92,2312.55 158.65,2310.65 154.52,2308.45 150.56,2305.98 146.78,2303.23 143.2,2300.23 139.84,2296.98 136.72,2293.51 133.84,2289.83 131.23,2285.96 128.89,2281.91 126.85,2277.71 125.1,2273.38 123.65,2268.94 122.52,2264.41 121.71,2259.8 121.22,2255.16 121.06,2250.49 ; 322.72,198.82 322.88,194.15 323.37,189.51 324.18,184.9 325.31,180.37 326.76,175.93 328.51,171.6 330.55,167.4 332.89,163.35 335.5,159.48 338.38,155.8 341.5,152.33 344.87,149.08 348.44,146.08 352.22,143.33 356.19,140.86 360.31,138.66 364.58,136.76 368.97,135.17 373.46,133.88 378.03,132.91 382.65,132.26 387.31,131.93 391.99,131.93 396.65,132.26 401.27,132.91 405.84,133.88 410.33,135.17 414.72,136.76 418.99,138.66 423.11,140.86 427.08,143.33 430.86,146.08 434.43,149.08 437.8,152.33 440.92,155.8 443.8,159.48 446.41,163.35 448.75,167.4 450.79,171.6 452.54,175.93 453.99,180.37 455.12,184.9 455.93,189.51 456.42,194.15 456.58,198.82 456.42,203.49 455.93,208.13 455.12,212.74 453.99,217.27 452.54,221.71 450.79,226.04 448.75,230.24 446.41,234.29 443.8,238.16 440.92,241.84 437.8,245.31 434.43,248.56 430.86,251.56 427.08,254.31 423.11,256.78 418.99,258.98 414.72,260.88 410.33,262.47 405.84,263.76 401.27,264.73 396.65,265.38 391.99,265.71 387.31,265.71 382.65,265.38 378.03,264.73 373.46,263.76 368.97,262.47 364.58,260.88 360.31,258.98 356.18,256.78 352.22,254.31 348.44,251.56 344.87,248.56 341.5,245.31 338.38,241.84 335.5,238.16 332.89,234.29 330.55,230.24 328.51,226.04 326.76,221.71 325.31,217.27 324.18,212.74 323.37,208.13 322.88,203.49 322.72,198.82 ; 1425.23,202.16 1425.39,197.49 1425.88,192.85 1426.69,188.24 1427.82,183.71 1429.27,179.27 1431.02,174.94 1433.06,170.74 1435.4,166.69 1438.01,162.82 1440.89,159.14 1444.01,155.67 1447.38,152.42 1450.95,149.42 1454.73,146.67 1458.69,144.2 1462.82,142 1467.09,140.1 1471.48,138.51 1475.97,137.22 1480.54,136.25 1485.16,135.6 1489.82,135.27 1494.5,135.27 1499.16,135.6 1503.78,136.25 1508.35,137.22 1512.84,138.51 1517.23,140.1 1521.5,142 1525.62,144.2 1529.59,146.67 1533.37,149.42 1536.94,152.42 1540.31,155.67 1543.43,159.14 1546.31,162.82 1548.92,166.69 1551.26,170.74 1553.3,174.94 1555.05,179.27 1556.5,183.71 1557.63,188.24 1558.44,192.85 1558.93,197.49 1559.09,202.16 1558.93,206.83 1558.44,211.47 1557.63,216.08 1556.5,220.61 1555.05,225.05 1553.3,229.38 1551.26,233.58 1548.92,237.63 1546.31,241.5 1543.43,245.18 1540.31,248.65 1536.94,251.9 1533.37,254.9 1529.59,257.65 1525.62,260.12 1521.5,262.32 1517.23,264.22 1512.84,265.81 1508.35,267.1 1503.78,268.07 1499.16,268.72 1494.5,269.05 1489.82,269.05 1485.16,268.72 1480.54,268.07 1475.97,267.1 1471.48,265.81 1467.09,264.22 1462.82,262.32 1458.69,260.12 1454.73,257.65 1450.95,254.9 1447.38,251.9 1444.01,248.65 1440.89,245.18 1438.01,241.5 1435.4,237.63 1433.06,233.58 1431.02,229.38 1429.27,225.05 1427.82,220.61 1426.69,216.08 1425.88,211.47 1425.39,206.83 1425.23,202.16 ; 2024.38,2207.15 2024.54,2202.48 2025.03,2197.84 2025.84,2193.23 2026.97,2188.7 2028.42,2184.26 2030.17,2179.93 2032.21,2175.73 2034.55,2171.68 2037.16,2167.81 2040.04,2164.13 2043.16,2160.66 2046.53,2157.41 2050.1,2154.41 2053.88,2151.66 2057.84,2149.19 2061.97,2146.99 2066.24,2145.09 2070.63,2143.5 2075.12,2142.21 2079.69,2141.24 2084.31,2140.59 2088.97,2140.26 2093.65,2140.26 2098.31,2140.59 2102.93,2141.24 2107.5,2142.21 2111.99,2143.5 2116.38,2145.09 2120.65,2146.99 2124.78,2149.19 2128.74,2151.66 2132.52,2154.41 2136.09,2157.41 2139.46,2160.66 2142.58,2164.13 2145.46,2167.81 2148.07,2171.68 2150.41,2175.73 2152.45,2179.93 2154.2,2184.26 2155.65,2188.7 2156.78,2193.23 2157.59,2197.84 2158.08,2202.48 2158.24,2207.15 2158.08,2211.82 2157.59,2216.46 2156.78,2221.07 2155.65,2225.6 2154.2,2230.04 2152.45,2234.37 2150.41,2238.57 2148.07,2242.62 2145.46,2246.49 2142.58,2250.17 2139.46,2253.64 2136.09,2256.89 2132.52,2259.89 2128.74,2262.64 2124.78,2265.11 2120.65,2267.31 2116.38,2269.21 2111.99,2270.8 2107.5,2272.09 2102.93,2273.06 2098.31,2273.71 2093.65,2274.04 2088.97,2274.04 2084.31,2273.71 2079.69,2273.06 2075.12,2272.09 2070.63,2270.8 2066.24,2269.21 2061.97,2267.31 2057.84,2265.11 2053.88,2262.64 2050.1,2259.89 2046.53,2256.89 2043.16,2253.64 2040.04,2250.17 2037.16,2246.49 2034.55,2242.62 2032.21,2238.57 2030.17,2234.37 2028.42,2230.04 2026.97,2225.6 2025.84,2221.07 2025.03,2216.46 2024.54,2211.82 2024.38,2207.15

## Silkscreen, mask and mechanical layers (free items; w line width, h text height)
Top Overlay:
  drawing of 1383 lines, arcs and shapes, not listed
  text "P63" at 1682.34,2692.72 h30
  text "P39" at 370,2445 h30
  text "P58" at 1870,1850 h30
  text "P54" at 1477.34,1847.72 h30
  text "P55" at 1582.34,1847.72 h30
  text "P56" at 1677.34,1847.72 h30
  text "P57" at 1772.34,1847.72 h30
  text "P41" at 460,275 h30 r270
  text "P52" at 1782.34,262.72 h30
  text "P53" at 1927.34,262.72 h30
  text "P51" at 1667.34,257.72 h30
  text "P50" at 1545,255 h30
  text "P40" at 245,250 h30
  text "P42" at 515,185 h30
  text "P43" at 665,185 h30
  text "P44" at 755,185 h30
  text "P45" at 865,180 h30
  text "P46" at 1020,175 h30
  text "P47" at 1115,175 h30
  text "P48" at 1215,175 h30
  text "P49" at 1320,175 h30
Bottom Overlay:
  drawing of 248 lines, arcs and shapes, not listed
  text "P61" at 2040,2110 h30
  text "P62" at 2127.49,1057.99 h30
  text "P59" at 220.94,918.03 h30
  text "P60" at 219.33,866.08 h30
Mechanical 13:
  lines w3.94: 1033.6,2163.59 1033.6,2384.06